# Allegro board 6089-103-RevB_76.brd (continued)
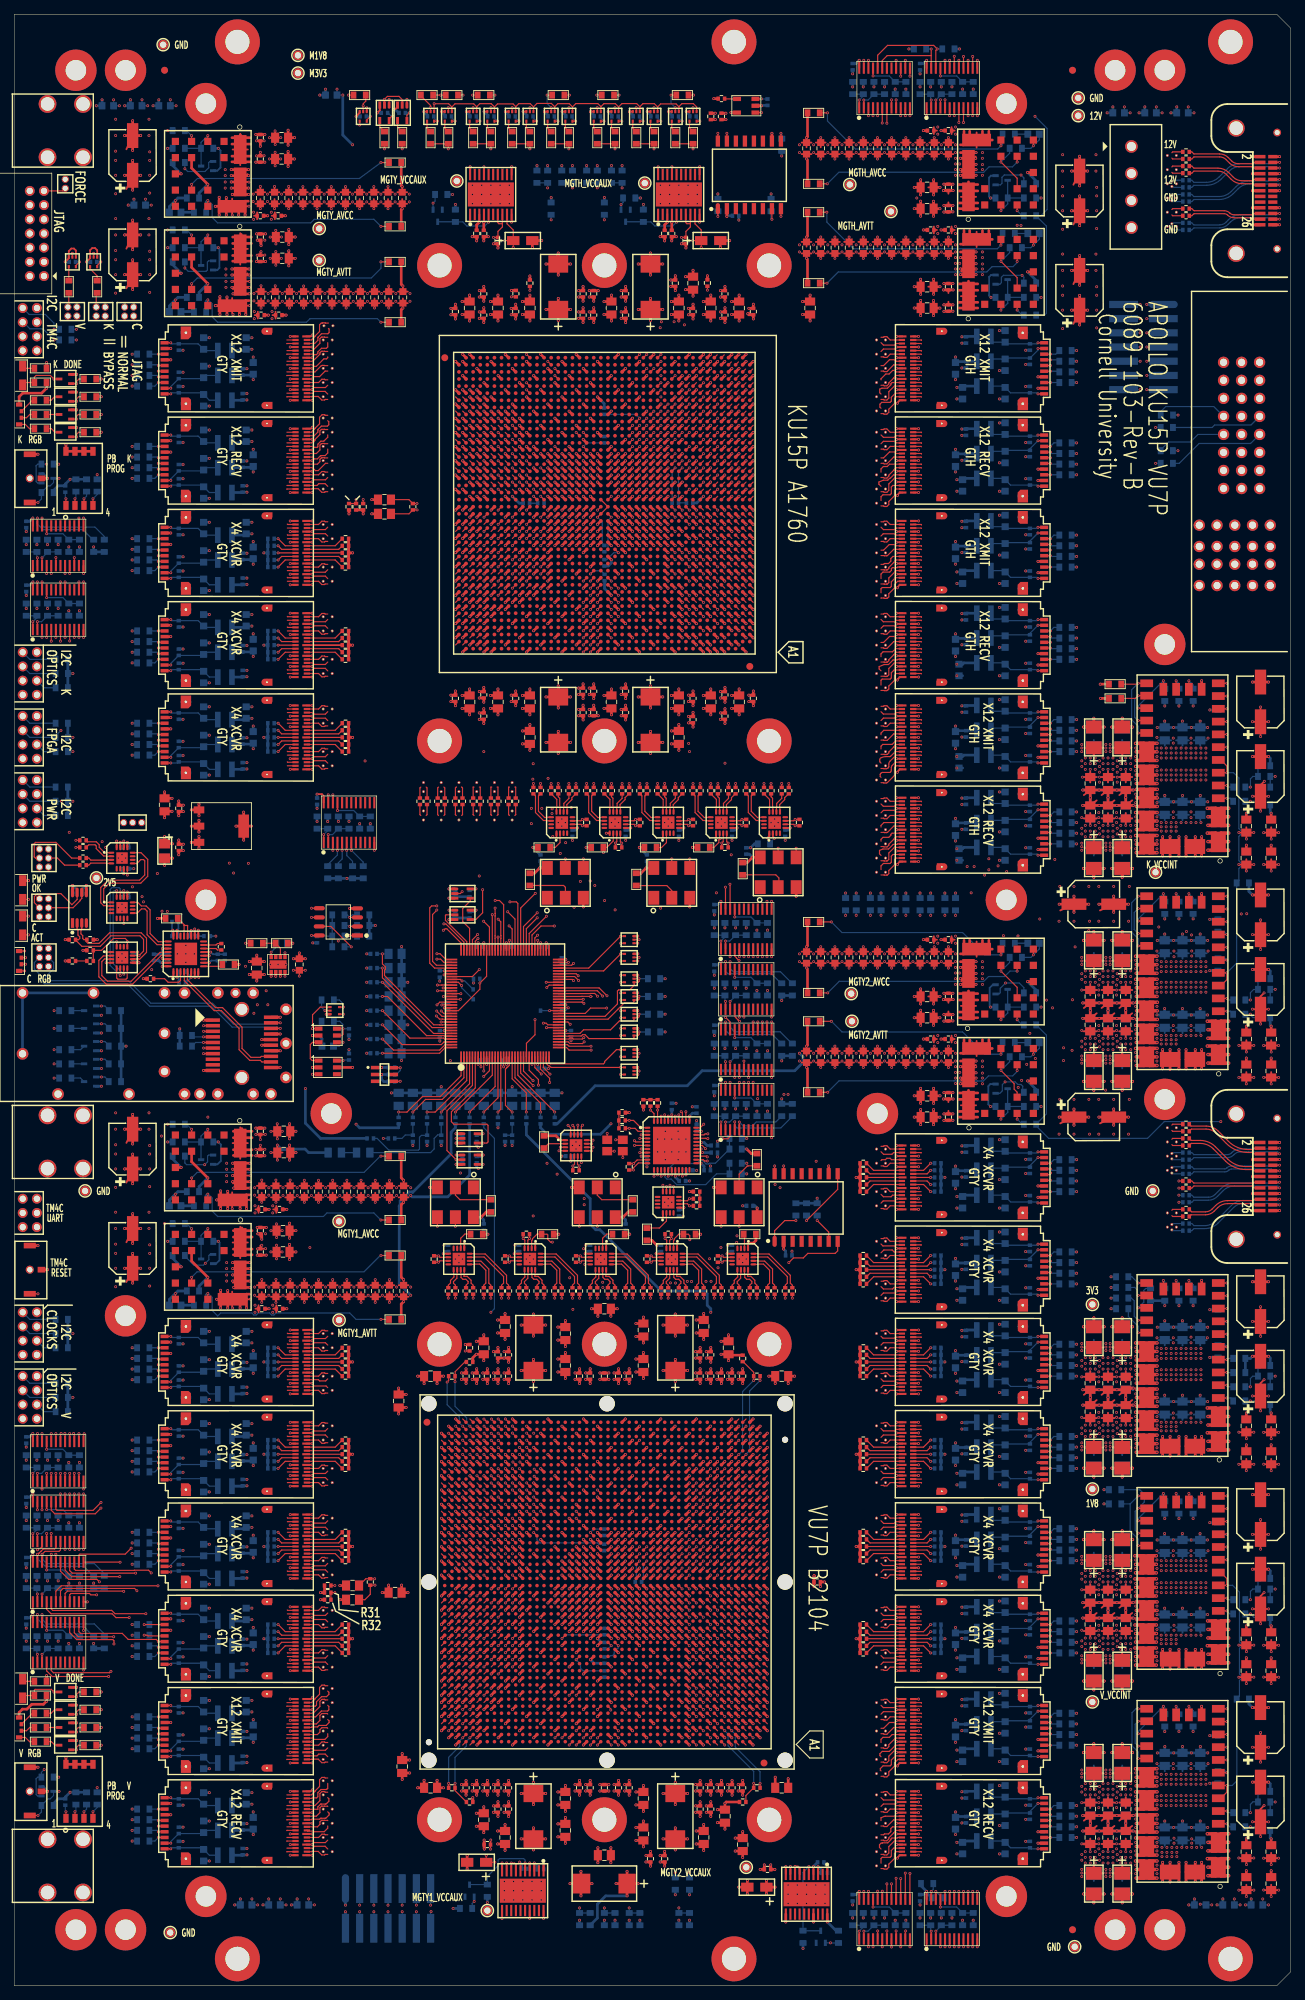
[diagram p0: board, top side]
## Routing (per net, layer and track width the routed paths; a pad name or vN(x,y) marks a point on that pad's centre or on a via; arc(x,y) is an arc through that point) (continued)
NK_FF6_XMIT1: length 34.8
  TOP w0.165: U22.B2 38.55,205.9 38.5,205.95 ; U65.W35 69.23,205.93
  SIG2 w0.083: 38.5,205.95 38.51,205.95 38.68,205.78 41.86,205.78 arc(42.5,205.91) 43.04,206.27 43.19,206.42 arc(43.78,206.81) 44.47,206.95 51.97,206.95 arc(52.5,206.84) 52.96,206.54 53.33,206.16 arc(53.98,205.73) 54.76,205.57 56.39,205.57 arc(56.44,205.59) 56.47,205.65 arc(56.49,205.7) 56.54,205.72 56.72,205.72 arc(56.77,205.7) 56.8,205.65 arc(56.82,205.59) 56.87,205.57 57.05,205.57 arc(57.1,205.59) 57.13,205.65 arc(57.15,205.7) 57.2,205.72 57.38,205.72 arc(57.43,205.7) 57.46,205.65 arc(57.48,205.59) 57.53,205.57 69.47,205.57 arc(69.58,205.62) 69.62,205.73 69.62,205.84 69.54,205.93 69.23,205.93
NK_FF6_XMIT2: length 28.4
  TOP w0.165: 44.2,204.28 43.88,204.6 42.26,204.6 42.06,204.4 U22.A5 ; U65.V37 67.23,204.93
  SIG2 w0.083: 67.23,204.93 67.54,204.93 67.62,204.84 67.62,204.74 arc(67.57,204.63) 67.46,204.58 53.32,204.58 arc(52.98,204.51) 52.7,204.32 52.67,204.29 arc(52.41,204.12) 52.1,204.06 50.52,204.06 arc(50.47,204.08) 50.44,204.14 arc(50.42,204.19) 50.37,204.21 50.19,204.21 arc(50.14,204.19) 50.11,204.14 arc(50.09,204.08) 50.04,204.06 49.86,204.06 arc(49.81,204.08) 49.78,204.14 arc(49.76,204.19) 49.71,204.21 49.53,204.21 arc(49.48,204.19) 49.45,204.14 arc(49.43,204.08) 49.38,204.06 45.6,204.06 arc(45.42,204.1) 45.26,204.2 arc(45.17,204.26) 45.06,204.28 44.2,204.28
NK_FF6_XMIT3: length 30.7
  TOP w0.165: U22.B5 38.55,204.4 38.5,204.45 ; U65.U39 65.23,203.93
  SIG4 w0.083: 65.23,203.93 65.54,203.93 65.63,203.83 65.63,203.62 arc(65.59,203.52) 65.49,203.48 61.56,203.48 arc(61.14,203.4) 60.78,203.18 arc(60.73,203.14) 60.68,203.1 arc(60.59,203.06) 60.5,203.02 arc(60.41,202.99) 60.32,202.96 arc(60.28,202.95) 60.24,202.95 50.28,202.95 arc(50.23,202.97) 50.21,203.02 arc(50.19,203.06) 50.15,203.08 49.95,203.08 arc(49.9,203.06) 49.88,203.02 arc(49.86,202.97) 49.82,202.95 49.62,202.95 arc(49.57,202.97) 49.55,203.02 arc(49.53,203.06) 49.49,203.08 49.29,203.08 arc(49.24,203.06) 49.22,203.02 arc(49.2,202.97) 49.16,202.95 43.97,202.95 arc(43.67,203.01) 43.43,203.17 42.66,203.94 arc(42.28,204.19) 41.84,204.28 38.68,204.28 38.51,204.45 38.5,204.45
NK_FF7_RECV0: length 25.8
  TOP w0.165: 44.2,211.28 43.83,211.65 42.94,211.65 42.69,211.4 U21.A17 ; U65.AE40 64.23,212.87
  SIG4 w0.083: 44.2,211.28 44.96,211.28 arc(45.07,211.26) 45.16,211.2 45.21,211.15 arc(45.37,211.05) 45.55,211.01 49.98,211.01 arc(50.03,211.03) 50.05,211.08 arc(50.07,211.14) 50.13,211.16 50.31,211.16 arc(50.36,211.14) 50.38,211.08 arc(50.4,211.03) 50.46,211.01 50.64,211.01 arc(50.69,211.03) 50.71,211.08 arc(50.73,211.14) 50.79,211.16 50.97,211.16 arc(51.02,211.14) 51.04,211.08 arc(51.06,211.03) 51.12,211.01 59.24,211.01 arc(60.05,211.17) 60.73,211.63 61.19,212.09 arc(61.58,212.36) 62.04,212.5 arc(62.08,212.5) 62.13,212.5 64.44,212.5 arc(64.51,212.52) 64.57,212.55 arc(64.61,212.62) 64.62,212.69 64.62,212.79 64.54,212.87 64.23,212.87
NK_FF7_RECV1: length 27.8
  TOP w0.165: U65.AF42 62.23,213.87 ; U21.B17 38.45,211.4
  SIG2 w0.083: 62.23,213.87 62.54,213.87 62.62,213.79 62.62,213.66 arc(62.58,213.55) 62.46,213.5 62.38,213.5 arc(61.9,213.41) 61.49,213.13 60.84,212.49 arc(60.42,212.21) 59.93,212.11 51.83,212.11 arc(51.78,212.13) 51.76,212.18 arc(51.74,212.23) 51.69,212.25 51.5,212.25 arc(51.45,212.23) 51.43,212.18 arc(51.41,212.13) 51.36,212.11 51.17,212.11 arc(51.12,212.13) 51.1,212.18 arc(51.08,212.23) 51.03,212.25 50.84,212.25 arc(50.79,212.23) 50.77,212.18 arc(50.75,212.13) 50.7,212.11 44.41,212.11 43.92,212.11 arc(43.41,212.01) 42.97,211.72 42.82,211.56 arc(42.46,211.32) 42.03,211.24 38.61,211.24 38.45,211.4
NK_FF7_RECV2: length 25.8
  TOP w0.165: U65.AG40 64.23,214.87 ; U21.A14 42.91,212.9 43.37,213.36 43.76,213.36 43.84,213.28 44.2,213.28
  SIG4 w0.083: 44.2,213.28 45.04,213.28 arc(45.16,213.26) 45.26,213.19 45.39,213.06 arc(45.52,212.98) 45.67,212.95 50.13,212.95 arc(50.18,212.97) 50.2,213.02 arc(50.23,213.07) 50.28,213.09 50.46,213.09 arc(50.51,213.07) 50.53,213.02 arc(50.56,212.97) 50.61,212.95 50.79,212.95 arc(50.84,212.97) 50.86,213.02 arc(50.89,213.07) 50.94,213.09 51.12,213.09 arc(51.17,213.07) 51.19,213.02 arc(51.22,212.97) 51.27,212.95 58.47,212.95 arc(59.7,213.19) 60.74,213.89 60.86,214 arc(61.44,214.39) 62.13,214.53 64.43,214.53 64.45,214.55 64.54,214.55 arc(64.6,214.58) 64.62,214.63 64.62,214.79 64.54,214.87 64.23,214.87
NK_FF7_RECV3: length 28
  TOP w0.165: U65.AH42 62.23,215.87 ; U21.B14 38.45,212.9
  SIG2 w0.083: 38.45,212.9 38.61,212.74 39.31,212.74 arc(39.65,212.77) 39.98,212.87 40.77,213.2 arc(41.17,213.41) 41.53,213.71 41.64,213.81 arc(41.92,214) 42.25,214.07 50.58,214.07 arc(50.63,214.09) 50.65,214.15 arc(50.68,214.2) 50.73,214.22 50.91,214.22 arc(50.96,214.2) 50.98,214.15 arc(51.01,214.09) 51.06,214.07 51.24,214.07 arc(51.29,214.09) 51.31,214.15 arc(51.34,214.2) 51.39,214.22 51.57,214.22 arc(51.62,214.2) 51.64,214.15 arc(51.67,214.09) 51.72,214.07 59.65,214.07 arc(60.13,214.16) 60.54,214.44 61.26,215.16 arc(61.66,215.42) 62.13,215.52 62.47,215.52 arc(62.58,215.56) 62.62,215.67 62.62,215.79 62.54,215.87 62.23,215.87
NK_FF7_RECV4: length 26.2
  TOP w0.165: 44.2,215.28 43.77,215.28 43.74,215.31 43.39,215.31 43.36,215.28 43.29,215.28 43.1,215.09 43.1,214.75 42.75,214.4 U21.A11 ; U65.AJ40 64.23,216.87
  SIG4 w0.083: 64.23,216.87 64.54,216.87 64.61,216.81 arc(64.63,216.77) 64.64,216.73 arc(64.64,216.72) 64.64,216.71 64.54,216.61 arc(64.4,216.52) 64.24,216.49 61.46,216.49 arc(61.13,216.42) 60.85,216.23 59.79,215.18 arc(59.55,215.02) 59.26,214.96 51.21,214.96 arc(51.16,214.98) 51.15,215.02 arc(51.13,215.06) 51.09,215.08 50.88,215.08 arc(50.83,215.06) 50.82,215.02 arc(50.8,214.98) 50.76,214.96 50.55,214.96 arc(50.5,214.98) 50.49,215.02 arc(50.47,215.06) 50.43,215.08 50.22,215.08 arc(50.17,215.06) 50.16,215.02 arc(50.14,214.98) 50.1,214.96 45.67,214.96 arc(45.47,215) 45.3,215.11 45.21,215.2 arc(45.12,215.26) 45.01,215.28 44.2,215.28
NK_FF7_RECV5: length 28.3
  TOP w0.165: U21.B11 38.45,214.4 ; U65.AK42 62.23,217.87
  SIG2 w0.083: 38.45,214.4 38.61,214.24 39.89,214.24 arc(40.51,214.36) 41.04,214.71 41.72,215.4 arc(42.31,215.79) 43.01,215.93 50.39,215.93 arc(50.45,215.96) 50.48,216.03 arc(50.51,216.09) 50.58,216.12 50.72,216.12 arc(50.78,216.09) 50.81,216.03 arc(50.84,215.96) 50.91,215.93 51.05,215.93 arc(51.11,215.96) 51.14,216.03 arc(51.17,216.09) 51.24,216.12 51.38,216.12 arc(51.44,216.09) 51.47,216.03 arc(51.5,215.96) 51.57,215.93 59.02,215.93 arc(59.67,216.06) 60.23,216.43 60.8,217 arc(61.36,217.38) 62.02,217.51 62.48,217.51 arc(62.58,217.55) 62.62,217.65 62.62,217.79 62.54,217.87 62.23,217.87
NK_FF7_RECV6: length 26.6
  TOP w0.165: U21.A8 42.6,215.9 43.1,216.4 43.1,217.09 43.29,217.28 43.36,217.28 43.39,217.31 43.74,217.31 43.77,217.28 44.2,217.28 ; U65.AL40 64.23,218.87
  SIG4 w0.083: 44.2,217.28 45.08,217.28 arc(45.16,217.26) 45.23,217.22 45.4,217.05 arc(45.49,216.99) 45.59,216.97 49.82,216.97 arc(49.87,216.99) 49.89,217.03 arc(49.9,217.08) 49.95,217.1 50.15,217.1 arc(50.2,217.08) 50.22,217.03 arc(50.23,216.99) 50.28,216.97 50.48,216.97 arc(50.53,216.99) 50.55,217.03 arc(50.56,217.08) 50.61,217.1 50.81,217.1 arc(50.86,217.08) 50.88,217.03 arc(50.89,216.99) 50.94,216.97 58.87,216.97 arc(59.59,217.12) 60.21,217.53 60.58,217.9 arc(61.26,218.35) 62.06,218.51 64.54,218.51 arc(64.6,218.54) 64.62,218.6 64.62,218.79 64.54,218.87 64.23,218.87
NK_FF7_RECV7: length 28.4
  TOP w0.165: U65.AM42 62.23,219.87 ; U21.B8 38.45,215.9
  SIG2 w0.083: 38.45,215.9 38.61,215.74 39.87,215.74 arc(40.51,215.87) 41.05,216.23 42.19,217.36 arc(42.95,217.87) 43.84,218.05 50.18,218.05 arc(50.24,218.07) 50.27,218.14 arc(50.3,218.2) 50.36,218.22 50.51,218.22 arc(50.57,218.2) 50.6,218.14 arc(50.63,218.07) 50.69,218.05 50.84,218.05 arc(50.9,218.07) 50.93,218.14 arc(50.96,218.2) 51.02,218.22 51.17,218.22 arc(51.23,218.2) 51.26,218.14 arc(51.29,218.07) 51.35,218.05 58.93,218.05 arc(59.83,218.23) 60.59,218.74 61.02,219.16 arc(61.43,219.44) 61.92,219.54 62.54,219.54 arc(62.6,219.56) 62.62,219.62 62.62,219.79 62.54,219.87 62.23,219.87
NK_FF7_RECV8: length 26.9
  TOP w0.165: U65.AN40 64.23,220.87 ; U21.A5 41.93,217.4 42.04,217.51 42.17,217.51 42.4,217.74 42.4,217.87 43.1,218.57 43.1,219.09 43.29,219.28 43.36,219.28 43.39,219.31 43.74,219.31 43.77,219.28 44.2,219.28
  SIG4 w0.083: 64.23,220.87 64.54,220.87 64.62,220.79 64.62,220.55 arc(64.6,220.49) 64.54,220.46 62.09,220.46 arc(61.42,220.33) 60.85,219.95 60.19,219.29 arc(59.85,219.06) 59.44,218.98 50.95,218.98 arc(50.89,219) 50.87,219.06 arc(50.85,219.11) 50.8,219.13 50.62,219.13 arc(50.56,219.11) 50.54,219.06 arc(50.52,219) 50.47,218.98 50.29,218.98 arc(50.23,219) 50.21,219.06 arc(50.19,219.11) 50.14,219.13 49.96,219.13 arc(49.9,219.11) 49.88,219.06 arc(49.86,219) 49.81,218.98 45.56,218.98 arc(45.37,219.02) 45.2,219.13 45.11,219.22 arc(45.04,219.27) 44.97,219.28 44.2,219.28
NK_FF7_RECV9: length 28.7
  TOP w0.165: U21.B5 38.45,217.4 ; U65.AP42 62.23,221.87
  SIG2 w0.083: 38.45,217.4 38.61,217.24 40.01,217.24 arc(40.5,217.34) 40.92,217.62 42.73,219.43 arc(43.49,219.93) 44.38,220.11 50.03,220.11 arc(50.09,220.13) 50.11,220.19 arc(50.14,220.25) 50.2,220.28 50.36,220.28 arc(50.42,220.25) 50.44,220.19 arc(50.47,220.13) 50.53,220.11 50.69,220.11 arc(50.75,220.13) 50.77,220.19 arc(50.8,220.25) 50.86,220.28 51.02,220.28 arc(51.08,220.25) 51.1,220.19 arc(51.13,220.13) 51.19,220.11 58.98,220.11 arc(59.7,220.25) 60.31,220.66 60.5,220.85 arc(61.16,221.29) 61.95,221.44 62.54,221.44 arc(62.6,221.47) 62.62,221.53 62.62,221.79 62.54,221.87 62.23,221.87
NK_FF7_RECV10: length 27.2
  TOP w0.165: 44.2,221.28 43.84,221.28 43.76,221.36 43.41,221.36 43.05,221.01 43.05,220.09 42.43,219.48 42.43,219.43 41.9,218.9 U21.A2 ; U65.AR40 64.23,222.87
  SIG4 w0.083: 44.2,221.28 45.05,221.28 arc(45.09,221.27) 45.13,221.25 45.23,221.15 arc(45.36,221.06) 45.52,221.03 49.79,221.03 arc(49.84,221.05) 49.87,221.11 arc(49.89,221.16) 49.95,221.19 50.12,221.19 arc(50.17,221.16) 50.2,221.11 arc(50.22,221.05) 50.28,221.03 50.45,221.03 arc(50.5,221.05) 50.53,221.11 arc(50.55,221.16) 50.61,221.19 50.78,221.19 arc(50.83,221.16) 50.86,221.11 arc(50.88,221.05) 50.94,221.03 59.16,221.03 arc(59.96,221.19) 60.65,221.65 61.09,222.09 arc(61.54,222.39) 62.08,222.5 64.49,222.5 arc(64.58,222.53) 64.62,222.63 64.62,222.79 64.54,222.87 64.23,222.87
NK_FF7_RECV11: length 28.8
  TOP w0.165: U21.B2 38.45,218.9 ; U65.AT42 62.23,223.87
  SIG2 w0.083: 38.45,218.9 38.61,218.74 39.77,218.74 arc(40.34,218.85) 40.82,219.17 41.8,220.16 41.81,220.16 43.14,221.48 arc(43.78,221.91) 44.53,222.06 49.89,222.06 arc(49.94,222.08) 49.97,222.14 arc(49.99,222.19) 50.04,222.21 50.22,222.21 arc(50.27,222.19) 50.3,222.14 arc(50.32,222.08) 50.37,222.06 50.55,222.06 arc(50.6,222.08) 50.63,222.14 arc(50.65,222.19) 50.7,222.21 50.88,222.21 arc(50.93,222.19) 50.96,222.14 arc(50.98,222.08) 51.03,222.06 59.51,222.06 arc(60.21,222.2) 60.8,222.59 61.23,223.02 arc(61.79,223.4) 62.46,223.53 62.54,223.53 arc(62.6,223.56) 62.62,223.62 62.62,223.79 62.54,223.87 62.23,223.87
NK_FF7_XMIT0: length 39.6
  TOP w0.165: U65.AC35 69.23,210.87 ; U20.B17 38.45,224.4
  SIG3 w0.083: 38.45,224.4 38.61,224.24 42.01,224.24 arc(42.58,224.12) 43.07,223.8 43.58,223.28 arc(43.89,223.08) 44.24,223.01 47.22,223.01 arc(47.83,222.89) 48.34,222.55 48.87,222.02 arc(48.92,222) 48.97,222.02 arc(49.02,222.04) 49.07,222.02 49.21,221.88 arc(49.23,221.83) 49.21,221.78 arc(49.18,221.73) 49.21,221.68 49.34,221.55 arc(49.39,221.53) 49.44,221.55 arc(49.49,221.57) 49.54,221.55 49.67,221.42 arc(49.69,221.37) 49.67,221.32 arc(49.65,221.27) 49.67,221.21 59.8,211.09 arc(60.49,210.62) 61.31,210.46 69.46,210.46 arc(69.57,210.51) 69.62,210.62 69.62,210.79 69.54,210.87 69.23,210.87
NK_FF7_XMIT1: length 33.3
  TOP w0.165: U65.AD37 67.23,211.87 ; 44.2,224.28 43.83,224.65 42.31,224.65 42.06,224.4 U20.A17
  SIG1 w0.083: 67.23,211.87 67.54,211.87 67.62,211.79 67.62,211.57 67.61,211.52 67.55,211.46 67.5,211.45 67.5,211.45 61.37,211.45 arc(60.03,211.72) 58.89,212.48 49.58,221.79 arc(49.56,221.84) 49.58,221.89 arc(49.6,221.94) 49.58,221.99 49.45,222.12 arc(49.39,222.14) 49.34,222.12 arc(49.29,222.1) 49.24,222.12 49.11,222.26 arc(49.09,222.31) 49.11,222.36 arc(49.13,222.41) 49.11,222.46 48.98,222.59 arc(48.93,222.61) 48.88,222.59 arc(48.83,222.57) 48.78,222.59 48.43,222.93 arc(47.27,223.71) 45.9,223.98 45.49,223.98 arc(45.36,224.01) 45.25,224.08 45.18,224.16 arc(45.04,224.25) 44.87,224.28 44.2,224.28
NK_FF7_XMIT2: length 39.3
  TOP w0.165: U20.B14 38.45,225.9 ; U65.AE35 69.23,212.87
  SIG3 w0.083: 38.45,225.9 38.61,225.74 42.37,225.74 arc(42.77,225.66) 43.12,225.42 43.18,225.36 arc(43.52,225.14) 43.92,225.06 46.99,225.06 arc(47.78,224.9) 48.45,224.46 49.08,223.82 arc(49.14,223.8) 49.19,223.82 49.19,223.82 arc(49.25,223.84) 49.3,223.82 49.43,223.7 arc(49.45,223.64) 49.43,223.59 arc(49.4,223.53) 49.43,223.48 49.55,223.35 arc(49.61,223.33) 49.66,223.35 49.66,223.35 arc(49.72,223.38) 49.77,223.35 49.89,223.23 arc(49.92,223.18) 49.89,223.12 arc(49.87,223.07) 49.89,223.01 59.5,213.4 arc(60.47,212.76) 61.62,212.53 69.47,212.53 arc(69.58,212.57) 69.62,212.68 69.62,212.79 69.54,212.87 69.23,212.87
NK_FF7_XMIT3: length 33.3
  TOP w0.165: U20.A14 42.91,225.9 43.37,226.36 43.76,226.36 43.84,226.28 44.2,226.28 ; U65.AF37 67.23,213.87
  SIG1 w0.083: 67.23,213.87 67.54,213.87 67.62,213.79 67.62,213.64 67.61,213.58 67.56,213.53 67.49,213.51 61.16,213.51 arc(60.19,213.7) 59.38,214.25 50.08,223.54 arc(50.06,223.6) 50.08,223.65 arc(50.11,223.71) 50.08,223.76 49.96,223.88 arc(49.9,223.91) 49.85,223.88 arc(49.79,223.86) 49.74,223.88 49.62,224.01 arc(49.59,224.06) 49.62,224.12 arc(49.64,224.17) 49.62,224.23 49.49,224.35 arc(49.44,224.37) 49.38,224.35 arc(49.33,224.33) 49.27,224.35 48.45,225.17 arc(47.52,225.79) 46.43,226.01 45.62,226.01 arc(45.42,226.05) 45.25,226.16 45.21,226.19 arc(45.12,226.26) 45.01,226.28 44.2,226.28
NK_FF7_XMIT4: length 41.6
  TOP w0.165: U65.AF33 71.23,213.87 ; U20.B11 38.45,227.4
  SIG3 w0.083: 38.45,227.4 38.61,227.24 43.65,227.24 arc(43.81,227.22) 43.96,227.17 arc(44.11,227.13) 44.27,227.11 47.13,227.11 arc(47.77,226.98) 48.31,226.62 48.99,225.95 arc(49.03,225.93) 49.08,225.95 arc(49.13,225.97) 49.18,225.95 49.32,225.81 arc(49.34,225.76) 49.32,225.71 arc(49.3,225.66) 49.32,225.62 49.45,225.48 arc(49.5,225.46) 49.55,225.48 arc(49.6,225.5) 49.65,225.48 49.78,225.34 arc(49.8,225.29) 49.78,225.25 arc(49.76,225.2) 49.78,225.15 60.99,213.94 arc(61.45,213.63) 61.99,213.53 71.48,213.53 arc(71.58,213.57) 71.62,213.67 71.62,213.79 71.54,213.87 71.23,213.87
NK_FF7_XMIT5: length 35.9
  TOP w0.165: U20.A11 42.41,227.4 43.29,228.28 43.36,228.28 43.39,228.31 43.74,228.31 43.77,228.28 44.2,228.28 ; U65.AG35 69.23,214.87
  SIG1 w0.083: 69.23,214.87 69.54,214.87 69.62,214.79 69.62,214.51 69.54,214.43 62.21,214.43 arc(61.16,214.64) 60.27,215.23 50.4,225.11 arc(50.38,225.15) 50.4,225.2 arc(50.42,225.25) 50.4,225.29 50.26,225.43 arc(50.21,225.45) 50.17,225.43 arc(50.12,225.41) 50.07,225.43 49.93,225.57 arc(49.91,225.62) 49.93,225.67 arc(49.95,225.71) 49.93,225.76 49.79,225.9 arc(49.75,225.92) 49.7,225.9 arc(49.65,225.88) 49.61,225.9 48.31,227.2 arc(47.44,227.78) 46.42,227.98 45.5,227.98 arc(45.36,228.01) 45.24,228.09 45.14,228.2 arc(45.04,228.26) 44.93,228.28 44.2,228.28
NK_FF7_XMIT6: length 37.8
  TOP w0.165: U20.B8 38.45,228.9 ; U65.AH37 67.23,215.87
  SIG3 w0.083: 67.23,215.87 67.54,215.87 67.62,215.79 67.62,215.6 arc(67.61,215.56) 67.59,215.52 67.53,215.46 arc(67.5,215.44) 67.46,215.43 62.02,215.43 arc(61.18,215.6) 60.47,216.07 49.71,226.83 arc(49.69,226.88) 49.71,226.93 arc(49.74,226.98) 49.71,227.04 49.59,227.17 arc(49.53,227.19) 49.48,227.17 arc(49.43,227.14) 49.38,227.17 49.25,227.29 arc(49.23,227.35) 49.25,227.4 arc(49.27,227.45) 49.25,227.5 49.12,227.63 arc(49.07,227.65) 49.01,227.63 arc(48.96,227.61) 48.91,227.63 47.69,228.85 arc(47.42,229.03) 47.09,229.1 44.37,229.1 arc(44.16,229.06) 43.98,228.93 43.89,228.84 arc(43.77,228.77) 43.63,228.74 38.61,228.74 38.45,228.9
NK_FF7_XMIT7: length 38.7
  TOP w0.165: U20.A8 42.1,228.9 43.1,229.91 43.1,230.09 43.29,230.28 43.36,230.28 43.39,230.31 43.74,230.31 43.77,230.28 44.2,230.28 ; U65.AH33 71.23,215.87
  SIG1 w0.083: 71.23,215.87 71.54,215.87 71.62,215.79 71.62,215.51 71.54,215.43 62.4,215.43 arc(61.89,215.53) 61.46,215.82 50.75,226.53 arc(50.73,226.57) 50.75,226.62 arc(50.77,226.67) 50.75,226.72 50.61,226.86 arc(50.57,226.88) 50.52,226.86 arc(50.47,226.84) 50.42,226.86 50.28,226.99 arc(50.26,227.04) 50.28,227.09 arc(50.3,227.14) 50.28,227.19 50.15,227.32 arc(50.1,227.34) 50.05,227.32 arc(50,227.3) 49.95,227.32 48.14,229.13 arc(47.18,229.77) 46.05,230 45.63,230 arc(45.42,230.04) 45.24,230.16 45.21,230.19 arc(45.11,230.26) 44.99,230.28 44.2,230.28
NK_FF7_XMIT8: length 40.3
  TOP w0.165: U65.AJ35 69.23,216.87 ; U20.B5 38.45,230.4
  SIG3 w0.083: 69.23,216.87 69.54,216.87 69.62,216.79 69.62,216.64 arc(69.58,216.55) 69.49,216.51 62.24,216.51 arc(61.85,216.59) 61.52,216.81 49.91,228.42 arc(49.89,228.47) 49.91,228.51 arc(49.93,228.56) 49.91,228.6 49.77,228.74 arc(49.72,228.76) 49.68,228.74 arc(49.63,228.73) 49.59,228.74 49.44,228.89 arc(49.43,228.93) 49.44,228.98 arc(49.46,229.02) 49.44,229.07 49.3,229.21 arc(49.26,229.23) 49.21,229.21 arc(49.17,229.19) 49.12,229.21 47.7,230.63 arc(47.17,230.99) 46.55,231.11 43.97,231.11 arc(43.5,231.02) 43.11,230.75 42.86,230.5 arc(42.56,230.31) 42.22,230.24 38.61,230.24 38.45,230.4
NK_FF7_XMIT9: length 35.2
  TOP w0.165: U65.AK37 67.23,217.87 ; 44.2,232.28 43.77,232.28 43.74,232.31 43.39,232.31 43.36,232.28 43.29,232.28 43.1,232.09 43.1,231.43 42.07,230.4 U20.A5
  SIG1 w0.083: 44.2,232.28 45.03,232.28 arc(45.17,232.25) 45.28,232.18 45.34,232.12 arc(45.47,232.04) 45.62,232 45.98,232 arc(47.16,231.77) 48.15,231.11 49.95,229.31 arc(50.01,229.28) 50.07,229.31 arc(50.12,229.33) 50.18,229.31 50.3,229.19 arc(50.32,229.13) 50.3,229.07 arc(50.28,229.02) 50.3,228.96 50.42,228.84 arc(50.48,228.82) 50.53,228.84 50.53,228.84 arc(50.59,228.86) 50.65,228.84 50.77,228.72 arc(50.79,228.67) 50.77,228.61 arc(50.74,228.55) 50.77,228.49 61.32,217.94 arc(61.89,217.56) 62.55,217.43 67.48,217.43 arc(67.53,217.44) 67.56,217.48 arc(67.58,217.53) 67.61,217.59 arc(67.62,217.63) 67.62,217.67 67.62,217.79 67.54,217.87 67.23,217.87
NK_FF7_XMIT10: length 40.4
  TOP w0.165: U65.AL35 69.23,218.87 ; U20.B2 38.45,231.9
  SIG3 w0.083: 38.45,231.9 38.61,231.74 41.86,231.74 arc(42.35,231.84) 42.77,232.12 43.25,232.59 arc(43.71,232.9) 44.26,233.01 46.45,233.01 arc(47.1,232.88) 47.66,232.51 49.29,230.87 arc(49.34,230.85) 49.39,230.87 arc(49.44,230.89) 49.49,230.87 49.62,230.74 arc(49.64,230.69) 49.62,230.64 arc(49.6,230.59) 49.62,230.54 49.76,230.41 arc(49.81,230.39) 49.86,230.41 arc(49.91,230.43) 49.96,230.41 50.09,230.27 arc(50.11,230.22) 50.09,230.17 arc(50.07,230.12) 50.09,230.08 61.28,218.89 arc(61.7,218.61) 62.19,218.51 69.46,218.51 arc(69.57,218.56) 69.62,218.67 69.62,218.79 69.54,218.87 69.23,218.87
NK_FF7_XMIT11: length 35.6
  TOP w0.165: 44.3,234.28 43.87,234.28 43.84,234.31 43.49,234.31 43.46,234.28 43.29,234.28 43.05,234.04 43.05,233.09 42.43,232.48 42.43,232.43 41.9,231.9 U20.A2 ; U65.AM37 67.23,219.87
  SIG1 w0.083: 44.3,234.28 45.03,234.28 arc(45.17,234.25) 45.28,234.18 arc(45.47,234.05) 45.69,234.01 46.38,234.01 arc(47.22,233.84) 47.93,233.37 50.68,230.62 arc(50.74,230.59) 50.79,230.62 50.79,230.62 arc(50.85,230.64) 50.91,230.62 51.03,230.5 arc(51.05,230.44) 51.03,230.38 arc(51,230.33) 51.03,230.27 51.15,230.15 arc(51.2,230.13) 51.26,230.15 arc(51.32,230.17) 51.37,230.15 51.49,230.03 arc(51.52,229.97) 51.49,229.92 arc(51.47,229.86) 51.49,229.8 61.44,219.85 arc(61.88,219.56) 62.39,219.46 67.45,219.46 arc(67.49,219.47) 67.53,219.49 67.59,219.55 arc(67.61,219.59) 67.62,219.63 67.62,219.76 arc(67.62,219.79) 67.6,219.82 67.54,219.87 67.23,219.87
NK_GTH_OSC: length 9.9
  TOP w0.165: U96.7 109.89,164.15 v1(110.09,164.35) R152.1 ; U97.5 v1(107.7,160.28)
  SIG1 w0.083: v1(107.7,160.28) 109.11,160.28 109.29,160.46 109.29,162.02 108.83,162.47 108.83,163.51 109.36,164.03 109.71,164.03 110.03,164.35 v1(110.09,164.35)
NK_GTY_OSC: length 11.2
  TOP w0.165: U58.7 79.89,164.15 v1(80.09,164.35) R112.1 ; U59.5 v1(77.7,158.78)
  SIG1 w0.083: v1(77.7,158.78) 78.78,158.78 78.87,158.86 78.87,160.53 79.16,160.82 79.16,162.12 78.8,162.48 78.8,163.59 79.22,164.01 79.75,164.01 v1(80.09,164.35)
NK_TEST_CONN_0: length 83.5
  TOP w0.165: U65.BB16 v1(89.17,229.87)
  SIG2 w0.083: v1(159.66,234.9) 159.66,234.51 159.14,233.98 158.26,233.98 157.07,235.17 157.07,235.42 152.44,240.05 132.63,240.05 130.64,242.03 109.87,242.03 107.65,239.82 106.44,239.82 96.99,230.37 89.08,230.37 88.78,230.07 88.78,229.96 88.86,229.87 v1(89.17,229.87)
  BOTTOM w0.165: J18.3 v1(159.66,234.9)
NK_TEST_CONN_1: length 81.1
  TOP w0.165: U65.BB14 v1(91.17,229.87)
  SIG2 w0.083: v1(91.17,229.87) 91.17,229.56 91.26,229.48 97.38,229.48 97.62,229.72 97.62,230.1 97.62,230.1 97.62,230.48 101.22,234.08 104.25,234.08 111.2,241.03 128.03,241.03 130.58,238.48 147.3,238.48 147.57,238.76 148.03,238.76 148.3,238.48 149.71,238.48 149.97,238.74 150.43,238.74 150.69,238.48 151.45,238.48 156.33,233.6 159.1,233.6 159.3,233.4 159.3,232.98 159.39,232.9 v1(159.66,232.9)
  BOTTOM w0.165: J18.5 v1(159.66,232.9)
NK_TEST_CONN_2: length 81.2
  TOP w0.165: U65.AY15 v1(90.17,227.87)
  SIG2 w0.083: v1(90.17,227.87) 89.86,227.87 89.78,227.96 89.78,228.07 89.95,228.25 98.33,228.25 98.76,228.67 98.76,230.51 101.42,233.17 105.49,233.17 109.05,236.73 126.73,236.73 126.74,236.75 127.03,236.75 127.04,236.73 129.13,236.73 130.56,235.3 144.51,235.3 148.85,230.95 156.42,230.95 157.09,230.28 158.88,230.28 159.1,230.49 159.18,230.49 159.3,230.61 159.3,230.82 159.39,230.9 v1(159.66,230.9)
  BOTTOM w0.165: J18.7 v1(159.66,230.9)
NK_TEST_CONN_3: length 80.8
  TOP w0.165: U65.AV14 v1(91.17,225.87)
  SIG2 w0.083: v1(91.17,225.87) 91.17,225.56 91.23,225.51 99.01,225.51 99.55,226.04 99.55,230.03 99.55,230.03 99.55,230.37 101.94,232.76 115.19,232.76 117.23,234.81 143.11,234.81 148.26,229.66 158.84,229.66 159.3,229.19 159.3,228.98 159.39,228.9 v1(159.66,228.9)
  BOTTOM w0.165: J18.9 v1(159.66,228.9)
NK_TEST_CONN_4: length 82.8
  TOP w0.165: U65.AR12 v1(93.17,222.87)
  SIG2 w0.083: v1(93.17,222.87) 92.86,222.87 92.78,222.96 92.78,223.07 93,223.3 100.47,223.3 100.75,223.58 100.75,230.14 100.98,230.37 103.59,230.37 103.8,230.17 116.78,230.17 120.43,233.82 135.94,233.82 142.72,227.05 145.45,227.05 146.25,226.25 157.32,226.25 157.56,226.02 158.96,226.02 159.3,226.36 159.3,226.82 159.39,226.9 v1(159.66,226.9)
  BOTTOM w0.165: J18.11 v1(159.66,226.9)
NK_TEST_CONN_5: length 82.7
  TOP w0.165: U65.AP12 v1(93.17,221.87)
  SIG2 w0.083: v1(159.66,224.9) 159.66,224.8 158.97,224.1 146.28,224.1 144.68,225.7 135.92,225.7 131.98,221.76 129.03,221.76 arc(128.18,221.93) 127.46,222.41 126.39,223.48 arc(125.89,223.81) 125.31,223.93 125.18,223.93 arc(124.62,224.04) 124.15,224.35 124.04,224.46 arc(123.68,224.71) 123.25,224.79 112,224.79 arc(110.82,225.03) 109.81,225.7 106.73,228.78 arc(106.15,229.17) 105.46,229.3 101.94,229.3 101.74,229.1 101.74,228.09 101.79,228.05 101.79,222.56 101.5,222.27 92.98,222.27 92.78,222.07 92.78,221.96 92.86,221.87 v1(93.17,221.87)
  BOTTOM w0.165: J18.13 v1(159.66,224.9)
NK_TTS_OUT: length 110.5
  TOP w0.165: U65.F23 v1(81.23,192.93)
  SIG3 w0.083: J11.4 4.3,146.7 4.3,147.8 7.18,150.68 7.18,157.74 18.13,168.69 44.59,168.69 50.91,175.01 50.91,188.21 56.02,193.32 81.14,193.32 81.23,193.24 v1(81.23,192.93)
NK_UTIL_CLK: length 11.3
  TOP w0.165: U82.5 v1(92.7,158.78) ; U79.7 94.89,164.15 v1(95.09,164.35) R137.1
  SIG2 w0.083: v1(95.09,164.35) 95.09,164.09 95.01,164 94.3,164 93.7,163.41 93.7,162.82 94.12,162.41 94.12,160.64 93.87,160.39 93.87,158.86 93.78,158.78 v1(92.7,158.78)
NKV_SPARE0: length 149.3
  TOP w0.165: U65.B22 v1(82.23,188.93) ; U66.BB34 72.23,75.87 v1(72.25,75.87)
  SIG3 w0.083: v1(72.25,75.87) 72.25,75.87 72.25,75.57 72.13,75.44 71.47,75.44 71.47,75.45 70.99,75.45 70.99,75.44 66.47,75.44 66.47,75.45 65.98,75.45 65.98,75.44 65.48,75.44 65.48,75.45 60.37,75.45 arc(59.98,75.53) 59.67,75.78 arc(59.47,76.13) 59.39,76.53 59.39,78.37 arc(59.47,78.78) 59.7,79.11 59.7,79.11 62.12,81.54 arc(62.58,82.22) 62.74,83.03 62.74,85.28 62.72,85.31 62.72,95.88 arc(62.82,96.4) 63.11,96.83 63.27,96.99 arc(63.63,97.53) 63.76,98.16 63.76,103.05 arc(63.62,103.76) 63.21,104.36 62.02,105.55 arc(61.68,106.06) 61.56,106.66 61.56,127.09 arc(61.64,127.53) 61.85,127.92 arc(62.06,128.28) 62.15,128.68 62.15,162.86 61.66,163.34 61.66,170.68 63.78,172.8 63.78,188.14 63.94,188.3 81.49,188.3 81.83,188.64 81.83,188.84 81.91,188.93 v1(82.23,188.93)
